# Allegro board RK3588S_Template_LP4XD556P164SD10H2_33X33_2133MHz_H1R6_V10_20220315YWQ.brd (continued)
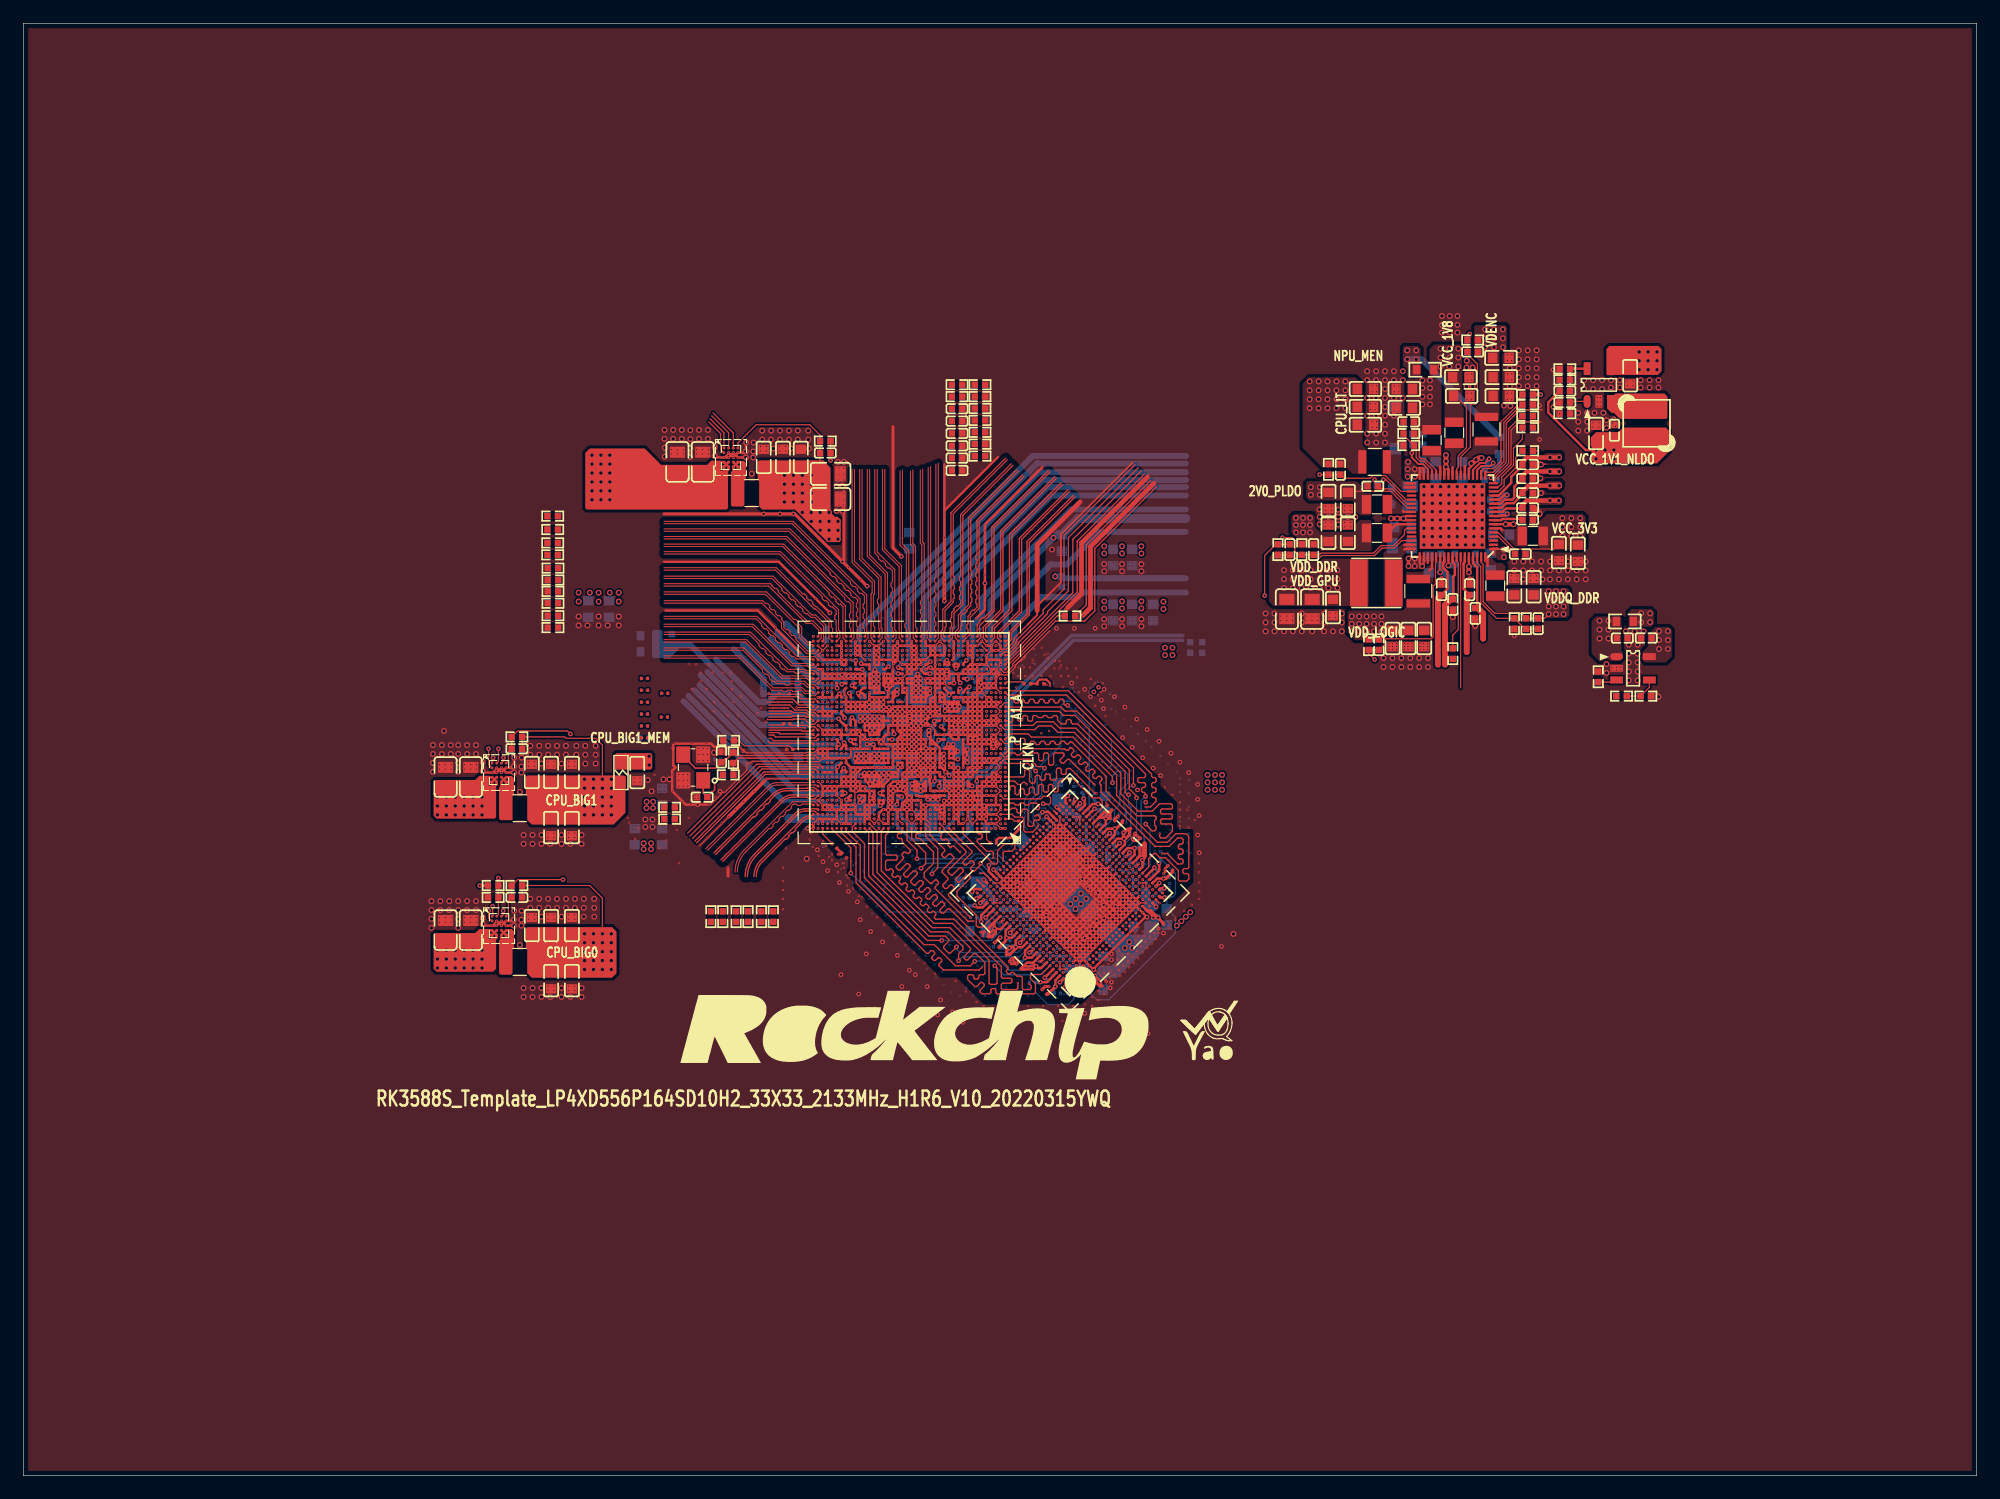
[diagram p0: board, top side]
## Footprints (pads in the part's own frame, mm; a bottom-side part is the same pattern mirrored in y, then rotated)
BGA1253_17R00X17R00X1R10
  round 0.25 smd: A1(-8.2,8.2) A2(-7.8,8.2) A3(-7.4,8.2) A4(-7,8.2) A5(-6.6,8.2) A6(-6.2,8.2) A7(-5.8,8.2) A9(-5,8.2) A10(-4.6,8.2) A12(-3.8,8.2) A13(-3.4,8.2) A15(-2.6,8.2) A16(-2.2,8.2) A18(-1.4,8.2) A19(-1,8.2) A20(-0.6,8.2) A21(-0.2,8.2) A23(0.6,8.2) A24(1,8.2) A26(1.8,8.2) A27(2.2,8.2) A28(2.6,8.2) A30(3.4,8.2) A31(3.8,8.2) A32(4.2,8.2) A33(4.6,8.2) A35(5.4,8.2) A36(5.8,8.2) A37(6.2,8.2) A38(6.6,8.2) A39(7,8.2) A40(7.4,8.2) A41(7.8,8.2) A42(8.2,8.2) AA1(-8.2,0.2) AA2(-7.8,0.2) AA3(-7.4,0.2) AA5(-6.6,0.2) AA6(-6.2,0.2) AA7(-5.8,0.2) AA8(-5.4,0.2) AA9(-5,0.2) AA10(-4.6,0.2) AA11(-4.2,0.2) AA12(-3.8,0.2) AA14(-3,0.2) AA19(-1,0.2) AA22(0.2,0.2) AA23(0.6,0.2) AA26(1.8,0.2) AA28(2.6,0.2) AA29(3,0.2) AA30(3.4,0.2) AA31(3.8,0.2) AA37(6.2,0.2) AA38(6.6,0.2) AA39(7,0.2) AA40(7.4,0.2) AA41(7.8,0.2) AA42(8.2,0.2) AB2(-7.8,-0.2) AB3(-7.4,-0.2) AB4(-7,-0.2) AB5(-6.6,-0.2) AB6(-6.2,-0.2) AB9(-5,-0.2) AB10(-4.6,-0.2) AB11(-4.2,-0.2) AB12(-3.8,-0.2) AB14(-3,-0.2) AB19(-1,-0.2) AB20(-0.6,-0.2) AB21(-0.2,-0.2) AB22(0.2,-0.2) AB23(0.6,-0.2) AB24(1,-0.2) AB25(1.4,-0.2) AB31(3.8,-0.2) AB32(4.2,-0.2) AB33(4.6,-0.2) AB34(5,-0.2) AB35(5.4,-0.2) AB36(5.8,-0.2) AB37(6.2,-0.2) AB38(6.6,-0.2) AB39(7,-0.2) AB40(7.4,-0.2) AB41(7.8,-0.2) AB42(8.2,-0.2) AC1(-8.2,-0.6) AC2(-7.8,-0.6) AC3(-7.4,-0.6) AC4(-7,-0.6) AC5(-6.6,-0.6) AC6(-6.2,-0.6) AC16(-2.2,-0.6) AC17(-1.8,-0.6) AC18(-1.4,-0.6) AC22(0.2,-0.6) AC23(0.6,-0.6) AC24(1,-0.6) AC25(1.4,-0.6) AC26(1.8,-0.6) AC27(2.2,-0.6) AC28(2.6,-0.6) AC29(3,-0.6) AC30(3.4,-0.6) AC31(3.8,-0.6) AC33(4.6,-0.6) AC34(5,-0.6) AC35(5.4,-0.6) AC37(6.2,-0.6) AC38(6.6,-0.6) AC39(7,-0.6) AC40(7.4,-0.6) AC41(7.8,-0.6) AD1(-8.2,-1) AD2(-7.8,-1) AD3(-7.4,-1) AD5(-6.6,-1) AD6(-6.2,-1) AD8(-5.4,-1) AD9(-5,-1) AD10(-4.6,-1) AD11(-4.2,-1) AD12(-3.8,-1) AD13(-3.4,-1) AD14(-3,-1) AD15(-2.6,-1) AD19(-1,-1) AD20(-0.6,-1) AD22(0.2,-1) AD23(0.6,-1) AD24(1,-1) AD25(1.4,-1) AD26(1.8,-1) AD27(2.2,-1) AD38(6.6,-1) AD39(7,-1) AD40(7.4,-1) AD41(7.8,-1) AD42(8.2,-1) AE1(-8.2,-1.4) AE2(-7.8,-1.4) AE5(-6.6,-1.4) AE6(-6.2,-1.4) AE7(-5.8,-1.4) AE8(-5.4,-1.4) AE9(-5,-1.4) AE10(-4.6,-1.4) AE11(-4.2,-1.4) AE12(-3.8,-1.4) AE13(-3.4,-1.4) AE14(-3,-1.4) AE15(-2.6,-1.4) AE16(-2.2,-1.4) AE19(-1,-1.4) AE20(-0.6,-1.4) AE22(0.2,-1.4) AE23(0.6,-1.4) AE24(1,-1.4) AE25(1.4,-1.4) AE26(1.8,-1.4) AE27(2.2,-1.4) AE38(6.6,-1.4) AE39(7,-1.4) AE40(7.4,-1.4) AE41(7.8,-1.4) AE42(8.2,-1.4) AF1(-8.2,-1.8) AF2(-7.8,-1.8) AF3(-7.4,-1.8) AF4(-7,-1.8) AF5(-6.6,-1.8) AF6(-6.2,-1.8) AF7(-5.8,-1.8) AF8(-5.4,-1.8) AF9(-5,-1.8) AF10(-4.6,-1.8) AF12(-3.8,-1.8) AF13(-3.4,-1.8) AF16(-2.2,-1.8) AF17(-1.8,-1.8) AF19(-1,-1.8) AF20(-0.6,-1.8) AF21(-0.2,-1.8) AF26(1.8,-1.8) AF27(2.2,-1.8) AF28(2.6,-1.8) AF29(3,-1.8) AF30(3.4,-1.8) AF31(3.8,-1.8) AF32(4.2,-1.8) AF33(4.6,-1.8) AF34(5,-1.8) AF35(5.4,-1.8) AF36(5.8,-1.8) AF37(6.2,-1.8) AF38(6.6,-1.8) AF39(7,-1.8) AF40(7.4,-1.8) AF41(7.8,-1.8) AG1(-8.2,-2.2) AG2(-7.8,-2.2) AG3(-7.4,-2.2) AG4(-7,-2.2) AG5(-6.6,-2.2) AG6(-6.2,-2.2) AG7(-5.8,-2.2) AG8(-5.4,-2.2) AG15(-2.6,-2.2) AG16(-2.2,-2.2) AG17(-1.8,-2.2) AG18(-1.4,-2.2) AG19(-1,-2.2) AG20(-0.6,-2.2) AG21(-0.2,-2.2) AG22(0.2,-2.2) AG23(0.6,-2.2) AG24(1,-2.2) AG25(1.4,-2.2) AG28(2.6,-2.2) AG29(3,-2.2) AG31(3.8,-2.2) AG32(4.2,-2.2) AG33(4.6,-2.2) AG34(5,-2.2) AG35(5.4,-2.2) AG36(5.8,-2.2) AG37(6.2,-2.2) AG38(6.6,-2.2) AG39(7,-2.2) AG40(7.4,-2.2) AG41(7.8,-2.2) AG42(8.2,-2.2) AH2(-7.8,-2.6) AH3(-7.4,-2.6) AH4(-7,-2.6) AH5(-6.6,-2.6) AH7(-5.8,-2.6) AH8(-5.4,-2.6) AH9(-5,-2.6) AH10(-4.6,-2.6) AH11(-4.2,-2.6) AH12(-3.8,-2.6) AH13(-3.4,-2.6) AH14(-3,-2.6) AH15(-2.6,-2.6) AH16(-2.2,-2.6) AH17(-1.8,-2.6) AH18(-1.4,-2.6) AH19(-1,-2.6) AH20(-0.6,-2.6) AH21(-0.2,-2.6) AH23(0.6,-2.6) AH24(1,-2.6) AH25(1.4,-2.6) AH26(1.8,-2.6) AH28(2.6,-2.6) AH29(3,-2.6) AH36(5.8,-2.6) AH37(6.2,-2.6) AH38(6.6,-2.6) AH39(7,-2.6) AH40(7.4,-2.6) AH41(7.8,-2.6) AH42(8.2,-2.6) AJ1(-8.2,-3) AJ2(-7.8,-3) AJ3(-7.4,-3) AJ5(-6.6,-3) AJ6(-6.2,-3) AJ7(-5.8,-3) AJ8(-5.4,-3) AJ9(-5,-3) AJ10(-4.6,-3) AJ11(-4.2,-3) AJ12(-3.8,-3) AJ15(-2.6,-3) AJ16(-2.2,-3) AJ18(-1.4,-3) AJ19(-1,-3) AJ20(-0.6,-3) AJ21(-0.2,-3) AJ25(1.4,-3) AJ26(1.8,-3) AJ27(2.2,-3) AJ28(2.6,-3) AJ29(3,-3) AJ30(3.4,-3) AJ31(3.8,-3) AJ32(4.2,-3) AJ34(5,-3) AJ35(5.4,-3) AJ36(5.8,-3) AJ37(6.2,-3) AJ38(6.6,-3) AJ39(7,-3) AJ40(7.4,-3) AJ41(7.8,-3) AK1(-8.2,-3.4) AK2(-7.8,-3.4) AK3(-7.4,-3.4) AK4(-7,-3.4) AK5(-6.6,-3.4) AK6(-6.2,-3.4) AK7(-5.8,-3.4) AK9(-5,-3.4) AK10(-4.6,-3.4) AK11(-4.2,-3.4) AK12(-3.8,-3.4) AK15(-2.6,-3.4) AK16(-2.2,-3.4) AK18(-1.4,-3.4) AK21(-0.2,-3.4) AK22(0.2,-3.4) AK25(1.4,-3.4) AK26(1.8,-3.4) AK27(2.2,-3.4) AK28(2.6,-3.4) AK29(3,-3.4) AK30(3.4,-3.4) AK39(7,-3.4) AK40(7.4,-3.4) AK41(7.8,-3.4) AK42(8.2,-3.4) AL2(-7.8,-3.8) AL3(-7.4,-3.8) AL4(-7,-3.8) AL5(-6.6,-3.8) AL14(-3,-3.8) AL15(-2.6,-3.8) AL16(-2.2,-3.8) AL18(-1.4,-3.8) AL21(-0.2,-3.8) AL22(0.2,-3.8) AL28(2.6,-3.8) AL29(3,-3.8) AL30(3.4,-3.8) AL31(3.8,-3.8) AL33(4.6,-3.8) AL35(5.4,-3.8) AL38(6.6,-3.8) AL39(7,-3.8) AL40(7.4,-3.8) AL41(7.8,-3.8) AL42(8.2,-3.8) AM1(-8.2,-4.2) AM2(-7.8,-4.2) AM4(-7,-4.2) AM5(-6.6,-4.2) AM13(-3.4,-4.2) AM14(-3,-4.2) AM15(-2.6,-4.2) AM16(-2.2,-4.2) AM17(-1.8,-4.2) AM21(-0.2,-4.2) AM22(0.2,-4.2) AM23(0.6,-4.2) AM25(1.4,-4.2) AM27(2.2,-4.2) AM30(3.4,-4.2) AM31(3.8,-4.2) AM32(4.2,-4.2) AM33(4.6,-4.2) AM35(5.4,-4.2) AM37(6.2,-4.2) AM38(6.6,-4.2) AM39(7,-4.2) AM40(7.4,-4.2) AM41(7.8,-4.2) AN1(-8.2,-4.6) AN2(-7.8,-4.6) AN3(-7.4,-4.6) AN4(-7,-4.6) AN5(-6.6,-4.6) AN6(-6.2,-4.6) AN7(-5.8,-4.6) AN8(-5.4,-4.6) AN10(-4.6,-4.6) AN11(-4.2,-4.6) AN12(-3.8,-4.6) AN13(-3.4,-4.6) AN14(-3,-4.6) AN15(-2.6,-4.6) AN17(-1.8,-4.6) AN18(-1.4,-4.6) AN21(-0.2,-4.6) AN22(0.2,-4.6) AN23(0.6,-4.6) AN25(1.4,-4.6) AN30(3.4,-4.6) AN31(3.8,-4.6) AN32(4.2,-4.6) AN33(4.6,-4.6) AN34(5,-4.6) AN35(5.4,-4.6) AN37(6.2,-4.6) AN38(6.6,-4.6) AN39(7,-4.6) AN40(7.4,-4.6) AN41(7.8,-4.6) AN42(8.2,-4.6) AP2(-7.8,-5) AP5(-6.6,-5) AP6(-6.2,-5) AP7(-5.8,-5) AP8(-5.4,-5) AP9(-5,-5) AP10(-4.6,-5) AP11(-4.2,-5) AP16(-2.2,-5) AP18(-1.4,-5) AP22(0.2,-5) AP23(0.6,-5) AP25(1.4,-5) AP27(2.2,-5) AP30(3.4,-5) AP31(3.8,-5) AP32(4.2,-5) AP33(4.6,-5) AP34(5,-5) AP35(5.4,-5) AP37(6.2,-5) AP38(6.6,-5) AP39(7,-5) AP40(7.4,-5) AP41(7.8,-5) AP42(8.2,-5) AR1(-8.2,-5.4) AR2(-7.8,-5.4) AR3(-7.4,-5.4) AR4(-7,-5.4) AR5(-6.6,-5.4) AR6(-6.2,-5.4) AR9(-5,-5.4) AR16(-2.2,-5.4) AR18(-1.4,-5.4) AR19(-1,-5.4) AR20(-0.6,-5.4) AR21(-0.2,-5.4) AR22(0.2,-5.4) AR23(0.6,-5.4) AR25(1.4,-5.4) AR27(2.2,-5.4) AR30(3.4,-5.4) AR33(4.6,-5.4) AR34(5,-5.4) AR35(5.4,-5.4) AR36(5.8,-5.4) AR37(6.2,-5.4) AR38(6.6,-5.4) AR39(7,-5.4) AR40(7.4,-5.4) AR41(7.8,-5.4) AT1(-8.2,-5.8) AT2(-7.8,-5.8) AT3(-7.4,-5.8) AT4(-7,-5.8) AT5(-6.6,-5.8) AT6(-6.2,-5.8) AT7(-5.8,-5.8) AT8(-5.4,-5.8) AT10(-4.6,-5.8) AT11(-4.2,-5.8) AT12(-3.8,-5.8) AT13(-3.4,-5.8) AT14(-3,-5.8) AT15(-2.6,-5.8) AT16(-2.2,-5.8) AT18(-1.4,-5.8) AT19(-1,-5.8) AT20(-0.6,-5.8) AT21(-0.2,-5.8) AT22(0.2,-5.8) AT23(0.6,-5.8) AT27(2.2,-5.8) AT29(3,-5.8) AT30(3.4,-5.8) AT33(4.6,-5.8) AT36(5.8,-5.8) AT37(6.2,-5.8) AT38(6.6,-5.8) AT39(7,-5.8) AT40(7.4,-5.8) AT41(7.8,-5.8) AT42(8.2,-5.8) AU1(-8.2,-6.2) AU2(-7.8,-6.2) AU3(-7.4,-6.2) AU4(-7,-6.2) AU6(-6.2,-6.2) AU7(-5.8,-6.2) AU8(-5.4,-6.2) AU15(-2.6,-6.2) AU16(-2.2,-6.2) AU18(-1.4,-6.2) AU19(-1,-6.2) AU21(-0.2,-6.2) AU22(0.2,-6.2) AU23(0.6,-6.2) AU24(1,-6.2) AU25(1.4,-6.2) AU27(2.2,-6.2) AU28(2.6,-6.2) AU29(3,-6.2) AU30(3.4,-6.2) AU31(3.8,-6.2) AU34(5,-6.2) AU35(5.4,-6.2) AU38(6.6,-6.2) AU39(7,-6.2) AU40(7.4,-6.2) AU41(7.8,-6.2) AU42(8.2,-6.2) AV1(-8.2,-6.6) AV2(-7.8,-6.6) AV3(-7.4,-6.6) AV4(-7,-6.6) AV5(-6.6,-6.6) AV6(-6.2,-6.6) AV7(-5.8,-6.6) AV8(-5.4,-6.6) AV9(-5,-6.6) AV10(-4.6,-6.6) AV11(-4.2,-6.6) AV12(-3.8,-6.6) AV13(-3.4,-6.6) AV14(-3,-6.6) AV15(-2.6,-6.6) AV16(-2.2,-6.6) AV18(-1.4,-6.6) AV19(-1,-6.6) AV21(-0.2,-6.6) AV22(0.2,-6.6) AV23(0.6,-6.6) AV25(1.4,-6.6) AV26(1.8,-6.6) AV27(2.2,-6.6) AV29(3,-6.6) AV30(3.4,-6.6) AV31(3.8,-6.6) AV32(4.2,-6.6) AV33(4.6,-6.6) AV34(5,-6.6) AV35(5.4,-6.6) AV36(5.8,-6.6) AV37(6.2,-6.6) AV38(6.6,-6.6) AV39(7,-6.6) AV40(7.4,-6.6) AV41(7.8,-6.6) AW3(-7.4,-7) AW4(-7,-7) AW5(-6.6,-7) AW6(-6.2,-7) AW7(-5.8,-7) AW8(-5.4,-7) AW9(-5,-7) AW10(-4.6,-7) AW11(-4.2,-7) AW12(-3.8,-7) AW13(-3.4,-7) AW14(-3,-7) AW15(-2.6,-7) AW16(-2.2,-7) AW17(-1.8,-7) AW18(-1.4,-7) AW19(-1,-7) AW21(-0.2,-7) AW22(0.2,-7) AW23(0.6,-7) AW25(1.4,-7) AW26(1.8,-7) AW27(2.2,-7) AW28(2.6,-7) AW29(3,-7) AW30(3.4,-7) AW31(3.8,-7) AW32(4.2,-7) AW33(4.6,-7) AW34(5,-7) AW35(5.4,-7) AW36(5.8,-7) AW37(6.2,-7) AW38(6.6,-7) AW39(7,-7) AW40(7.4,-7) AW41(7.8,-7) AW42(8.2,-7) AY1(-8.2,-7.4) AY2(-7.8,-7.4) AY3(-7.4,-7.4) AY4(-7,-7.4) AY5(-6.6,-7.4) AY7(-5.8,-7.4) AY8(-5.4,-7.4) AY9(-5,-7.4) AY10(-4.6,-7.4) AY11(-4.2,-7.4) AY12(-3.8,-7.4) AY13(-3.4,-7.4) AY14(-3,-7.4) AY15(-2.6,-7.4) AY16(-2.2,-7.4) AY17(-1.8,-7.4) AY18(-1.4,-7.4) AY19(-1,-7.4) AY21(-0.2,-7.4) AY22(0.2,-7.4) AY23(0.6,-7.4) AY25(1.4,-7.4) AY26(1.8,-7.4) AY27(2.2,-7.4) AY28(2.6,-7.4) AY29(3,-7.4) AY30(3.4,-7.4) AY31(3.8,-7.4) AY32(4.2,-7.4) AY33(4.6,-7.4) AY34(5,-7.4) AY35(5.4,-7.4) AY36(5.8,-7.4) AY37(6.2,-7.4) AY39(7,-7.4) AY40(7.4,-7.4) AY41(7.8,-7.4) AY42(8.2,-7.4) B1(-8.2,7.8) B2(-7.8,7.8) B3(-7.4,7.8) B5(-6.6,7.8) B6(-6.2,7.8) B7(-5.8,7.8) B8(-5.4,7.8) B9(-5,7.8) B10(-4.6,7.8) B11(-4.2,7.8) B12(-3.8,7.8) B13(-3.4,7.8) B14(-3,7.8) B15(-2.6,7.8) B16(-2.2,7.8) B17(-1.8,7.8) B18(-1.4,7.8) B19(-1,7.8) B20(-0.6,7.8) B21(-0.2,7.8) B22(0.2,7.8) B23(0.6,7.8) B24(1,7.8) B25(1.4,7.8) B26(1.8,7.8) B27(2.2,7.8) B28(2.6,7.8) B29(3,7.8) B30(3.4,7.8) B31(3.8,7.8) B32(4.2,7.8) B33(4.6,7.8) B34(5,7.8) B35(5.4,7.8) B36(5.8,7.8) B37(6.2,7.8) B38(6.6,7.8) B39(7,7.8) B40(7.4,7.8) B41(7.8,7.8) B42(8.2,7.8) BA1(-8.2,-7.8) BA2(-7.8,-7.8) BA3(-7.4,-7.8) BA4(-7,-7.8) BA5(-6.6,-7.8) BA6(-6.2,-7.8) BA7(-5.8,-7.8) BA8(-5.4,-7.8) BA9(-5,-7.8) BA10(-4.6,-7.8) BA11(-4.2,-7.8) BA12(-3.8,-7.8) BA13(-3.4,-7.8) BA14(-3,-7.8) BA15(-2.6,-7.8) BA16(-2.2,-7.8) BA17(-1.8,-7.8) BA18(-1.4,-7.8) BA19(-1,-7.8) BA20(-0.6,-7.8) BA21(-0.2,-7.8) BA22(0.2,-7.8) BA23(0.6,-7.8) BA24(1,-7.8) BA25(1.4,-7.8) BA26(1.8,-7.8) BA27(2.2,-7.8) BA28(2.6,-7.8) BA29(3,-7.8) BA30(3.4,-7.8) BA31(3.8,-7.8) BA32(4.2,-7.8) BA33(4.6,-7.8) BA34(5,-7.8) BA35(5.4,-7.8) BA36(5.8,-7.8) BA37(6.2,-7.8) BA38(6.6,-7.8) BA40(7.4,-7.8) BA41(7.8,-7.8) BA42(8.2,-7.8) BB1(-8.2,-8.2) BB2(-7.8,-8.2) BB4(-7,-8.2) BB5(-6.6,-8.2) BB7(-5.8,-8.2) BB8(-5.4,-8.2) BB10(-4.6,-8.2) BB11(-4.2,-8.2) BB13(-3.4,-8.2) BB14(-3,-8.2) BB16(-2.2,-8.2) BB17(-1.8,-8.2) BB19(-1,-8.2) BB20(-0.6,-8.2) BB22(0.2,-8.2) BB23(0.6,-8.2) BB25(1.4,-8.2) BB26(1.8,-8.2) BB28(2.6,-8.2) BB29(3,-8.2) BB31(3.8,-8.2) BB32(4.2,-8.2) BB34(5,-8.2) BB35(5.4,-8.2) BB37(6.2,-8.2) BB38(6.6,-8.2) BB41(7.8,-8.2) BB42(8.2,-8.2) C1(-8.2,7.4) C2(-7.8,7.4) C3(-7.4,7.4) C4(-7,7.4) C6(-6.2,7.4) C7(-5.8,7.4) C8(-5.4,7.4) C9(-5,7.4) C10(-4.6,7.4) C11(-4.2,7.4) C12(-3.8,7.4) C13(-3.4,7.4) C14(-3,7.4) C15(-2.6,7.4) C16(-2.2,7.4) C17(-1.8,7.4) C18(-1.4,7.4) C19(-1,7.4) C20(-0.6,7.4) C21(-0.2,7.4) C22(0.2,7.4) C23(0.6,7.4) C24(1,7.4) C25(1.4,7.4) C26(1.8,7.4) C27(2.2,7.4) C28(2.6,7.4) C29(3,7.4) C30(3.4,7.4) C32(4.2,7.4) C33(4.6,7.4) C34(5,7.4) C35(5.4,7.4) C36(5.8,7.4) C37(6.2,7.4) C39(7,7.4) C41(7.8,7.4) C42(8.2,7.4) D2(-7.8,7) D3(-7.4,7) D4(-7,7) D7(-5.8,7) D8(-5.4,7) D10(-4.6,7) D11(-4.2,7) D13(-3.4,7) D14(-3,7) D15(-2.6,7) D16(-2.2,7) D17(-1.8,7) D18(-1.4,7) D19(-1,7) D21(-0.2,7) D22(0.2,7) D23(0.6,7) D25(1.4,7) D26(1.8,7) D27(2.2,7) D29(3,7) D30(3.4,7) D31(3.8,7) D32(4.2,7) D34(5,7) D36(5.8,7) D38(6.6,7) D39(7,7) D40(7.4,7) D41(7.8,7) D42(8.2,7) E1(-8.2,6.6) E2(-7.8,6.6) E3(-7.4,6.6) E4(-7,6.6) E5(-6.6,6.6) E6(-6.2,6.6) E8(-5.4,6.6) E9(-5,6.6) E10(-4.6,6.6) E12(-3.8,6.6) E13(-3.4,6.6) E16(-2.2,6.6) E17(-1.8,6.6) E18(-1.4,6.6) E19(-1,6.6) E20(-0.6,6.6) E21(-0.2,6.6) E23(0.6,6.6) E25(1.4,6.6) E27(2.2,6.6) E29(3,6.6) E30(3.4,6.6) E31(3.8,6.6) E32(4.2,6.6) E33(4.6,6.6) E34(5,6.6) E37(6.2,6.6) E38(6.6,6.6) E39(7,6.6) E40(7.4,6.6) E41(7.8,6.6) F1(-8.2,6.2) F2(-7.8,6.2) F3(-7.4,6.2) F4(-7,6.2) F8(-5.4,6.2) F9(-5,6.2) F10(-4.6,6.2) F13(-3.4,6.2) F14(-3,6.2) F15(-2.6,6.2) F16(-2.2,6.2) F19(-1,6.2) F20(-0.6,6.2) F21(-0.2,6.2) F23(0.6,6.2) F29(3,6.2) F31(3.8,6.2) F33(4.6,6.2) F34(5,6.2) F35(5.4,6.2) F36(5.8,6.2) F37(6.2,6.2) F38(6.6,6.2) F39(7,6.2) F40(7.4,6.2) F41(7.8,6.2) F42(8.2,6.2) G2(-7.8,5.8) G3(-7.4,5.8) G4(-7,5.8) G5(-6.6,5.8) G6(-6.2,5.8) G8(-5.4,5.8) G9(-5,5.8) G10(-4.6,5.8) G12(-3.8,5.8) G20(-0.6,5.8) G21(-0.2,5.8) G22(0.2,5.8) G24(1,5.8) G25(1.4,5.8) G26(1.8,5.8) G27(2.2,5.8) G28(2.6,5.8) G29(3,5.8) G31(3.8,5.8) G34(5,5.8) G36(5.8,5.8) G37(6.2,5.8) G38(6.6,5.8) G39(7,5.8) G40(7.4,5.8) G41(7.8,5.8) H1(-8.2,5.4) H2(-7.8,5.4) H3(-7.4,5.4) H4(-7,5.4) H5(-6.6,5.4) H6(-6.2,5.4) H11(-4.2,5.4) H12(-3.8,5.4) H14(-3,5.4) H15(-2.6,5.4) H16(-2.2,5.4) H18(-1.4,5.4) H20(-0.6,5.4) H22(0.2,5.4) H24(1,5.4) H25(1.4,5.4) H27(2.2,5.4) H29(3,5.4) H31(3.8,5.4) H34(5,5.4) H36(5.8,5.4) H37(6.2,5.4) H38(6.6,5.4) H39(7,5.4) H40(7.4,5.4) H41(7.8,5.4) H42(8.2,5.4) J1(-8.2,5) J2(-7.8,5) J3(-7.4,5) J4(-7,5) J5(-6.6,5) J6(-6.2,5) J7(-5.8,5) J8(-5.4,5) J9(-5,5) J10(-4.6,5) J12(-3.8,5) J14(-3,5) J15(-2.6,5) J16(-2.2,5) J18(-1.4,5) J20(-0.6,5) J22(0.2,5) J24(1,5) J26(1.8,5) J27(2.2,5) J29(3,5) J30(3.4,5) J31(3.8,5) J36(5.8,5) J38(6.6,5) J39(7,5) J40(7.4,5) J41(7.8,5) J42(8.2,5) K1(-8.2,4.6) K2(-7.8,4.6) K3(-7.4,4.6) K6(-6.2,4.6) K7(-5.8,4.6) K9(-5,4.6) K10(-4.6,4.6) K11(-4.2,4.6) K12(-3.8,4.6) K14(-3,4.6) K17(-1.8,4.6) K18(-1.4,4.6) K20(-0.6,4.6) K22(0.2,4.6) K23(0.6,4.6) K25(1.4,4.6) K26(1.8,4.6) K27(2.2,4.6) K28(2.6,4.6) K29(3,4.6) K30(3.4,4.6) K31(3.8,4.6) K32(4.2,4.6) K33(4.6,4.6) K34(5,4.6) K35(5.4,4.6) K36(5.8,4.6) K37(6.2,4.6) K38(6.6,4.6) K39(7,4.6) K40(7.4,4.6) K41(7.8,4.6) L1(-8.2,4.2) L2(-7.8,4.2) L3(-7.4,4.2) L5(-6.6,4.2) L6(-6.2,4.2) L9(-5,4.2) L10(-4.6,4.2) L11(-4.2,4.2) L12(-3.8,4.2) L14(-3,4.2) L15(-2.6,4.2) L18(-1.4,4.2) L20(-0.6,4.2) L22(0.2,4.2) L23(0.6,4.2) L24(1,4.2) L32(4.2,4.2) L33(4.6,4.2) L34(5,4.2) L35(5.4,4.2) L36(5.8,4.2) L37(6.2,4.2) L38(6.6,4.2) L39(7,4.2) L40(7.4,4.2) L41(7.8,4.2) L42(8.2,4.2) M1(-8.2,3.8) M2(-7.8,3.8) M5(-6.6,3.8) M6(-6.2,3.8) M7(-5.8,3.8) M8(-5.4,3.8) M9(-5,3.8) M10(-4.6,3.8) M12(-3.8,3.8) M14(-3,3.8) M16(-2.2,3.8) M17(-1.8,3.8) M19(-1,3.8) M21(-0.2,3.8) M22(0.2,3.8) M23(0.6,3.8) M24(1,3.8) M25(1.4,3.8) M28(2.6,3.8) M29(3,3.8) M30(3.4,3.8) M33(4.6,3.8) M34(5,3.8) M35(5.4,3.8) M36(5.8,3.8) M37(6.2,3.8) M38(6.6,3.8) M39(7,3.8) M40(7.4,3.8) M41(7.8,3.8) M42(8.2,3.8) N1(-8.2,3.4) N2(-7.8,3.4) N3(-7.4,3.4) N5(-6.6,3.4) N6(-6.2,3.4) N7(-5.8,3.4) N9(-5,3.4) N11(-4.2,3.4) N12(-3.8,3.4) N15(-2.6,3.4) N16(-2.2,3.4) N17(-1.8,3.4) N18(-1.4,3.4) N21(-0.2,3.4) N22(0.2,3.4) N24(1,3.4) N25(1.4,3.4) N33(4.6,3.4) N34(5,3.4) N35(5.4,3.4) N36(5.8,3.4) N37(6.2,3.4) N38(6.6,3.4) N39(7,3.4) N40(7.4,3.4) N41(7.8,3.4) N42(8.2,3.4) P1(-8.2,3) P2(-7.8,3) P3(-7.4,3) P4(-7,3) P5(-6.6,3) P6(-6.2,3) P7(-5.8,3) P8(-5.4,3) P9(-5,3) P10(-4.6,3) P12(-3.8,3) P15(-2.6,3) P16(-2.2,3) P17(-1.8,3) P18(-1.4,3) P19(-1,3) P23(0.6,3) P25(1.4,3) P26(1.8,3) P27(2.2,3) P28(2.6,3) P29(3,3) P30(3.4,3) P31(3.8,3) P32(4.2,3) P33(4.6,3) P34(5,3) P38(6.6,3) P39(7,3) P40(7.4,3) P41(7.8,3) R1(-8.2,2.6) R2(-7.8,2.6) R3(-7.4,2.6) R4(-7,2.6) R8(-5.4,2.6) R10(-4.6,2.6) R15(-2.6,2.6) R16(-2.2,2.6) R20(-0.6,2.6) R21(-0.2,2.6) R23(0.6,2.6) R24(1,2.6) R25(1.4,2.6) R26(1.8,2.6) R27(2.2,2.6) R28(2.6,2.6) R29(3,2.6) R30(3.4,2.6) R31(3.8,2.6) R32(4.2,2.6) R33(4.6,2.6) R35(5.4,2.6) R36(5.8,2.6) R38(6.6,2.6) R39(7,2.6) T2(-7.8,2.2) T3(-7.4,2.2) T4(-7,2.2) T7(-5.8,2.2) T10(-4.6,2.2) T12(-3.8,2.2) T13(-3.4,2.2) T15(-2.6,2.2) T16(-2.2,2.2) T17(-1.8,2.2) T18(-1.4,2.2) T20(-0.6,2.2) T21(-0.2,2.2) T24(1,2.2) T25(1.4,2.2) T26(1.8,2.2) T35(5.4,2.2) T36(5.8,2.2) T37(6.2,2.2) T38(6.6,2.2) T39(7,2.2) T40(7.4,2.2) T41(7.8,2.2) T42(8.2,2.2) U1(-8.2,1.8) U2(-7.8,1.8) U3(-7.4,1.8) U4(-7,1.8) U5(-6.6,1.8) U6(-6.2,1.8) U7(-5.8,1.8) U8(-5.4,1.8) U12(-3.8,1.8) U13(-3.4,1.8) U15(-2.6,1.8) U16(-2.2,1.8) U17(-1.8,1.8) U18(-1.4,1.8) U20(-0.6,1.8) U21(-0.2,1.8) U22(0.2,1.8) U23(0.6,1.8) U24(1,1.8) U25(1.4,1.8) U26(1.8,1.8) U35(5.4,1.8) U36(5.8,1.8) U37(6.2,1.8) U38(6.6,1.8) U39(7,1.8) U40(7.4,1.8) U41(7.8,1.8) V1(-8.2,1.4) V2(-7.8,1.4) V3(-7.4,1.4) V5(-6.6,1.4) V6(-6.2,1.4) V7(-5.8,1.4) V8(-5.4,1.4) V10(-4.6,1.4) V12(-3.8,1.4) V13(-3.4,1.4) V14(-3,1.4) V16(-2.2,1.4) V17(-1.8,1.4) V19(-1,1.4) V23(0.6,1.4) V24(1,1.4) V25(1.4,1.4) V26(1.8,1.4) V27(2.2,1.4) V28(2.6,1.4) V29(3,1.4) V30(3.4,1.4) V31(3.8,1.4) V32(4.2,1.4) V33(4.6,1.4) V34(5,1.4) V35(5.4,1.4) V36(5.8,1.4) V37(6.2,1.4) V38(6.6,1.4) V39(7,1.4) V40(7.4,1.4) V41(7.8,1.4) V42(8.2,1.4) W2(-7.8,1) W5(-6.6,1) W7(-5.8,1) W8(-5.4,1) W9(-5,1) W10(-4.6,1) W16(-2.2,1) W17(-1.8,1) W18(-1.4,1) W19(-1,1) W22(0.2,1) W23(0.6,1) W24(1,1) W26(1.8,1) W33(4.6,1) W38(6.6,1) W39(7,1) W40(7.4,1) W41(7.8,1) W42(8.2,1) Y1(-8.2,0.6) Y2(-7.8,0.6) Y3(-7.4,0.6) Y4(-7,0.6) Y5(-6.6,0.6) Y6(-6.2,0.6) Y10(-4.6,0.6) Y11(-4.2,0.6) Y14(-3,0.6) Y17(-1.8,0.6) Y18(-1.4,0.6) Y19(-1,0.6) Y22(0.2,0.6) Y23(0.6,0.6) Y24(1,0.6) Y26(1.8,0.6) Y28(2.6,0.6) Y29(3,0.6) Y30(3.4,0.6) Y31(3.8,0.6) Y32(4.2,0.6) Y33(4.6,0.6) Y37(6.2,0.6) Y38(6.6,0.6) Y39(7,0.6) Y40(7.4,0.6) Y41(7.8,0.6)
C0201
  rect 0.25x0.3 smd: 1(-0.275,0) 2(0.275,0)
C0201#2
  custom 0.294x0.3 smd: 1(-0.25,0) 2(0.25,0)
C0402
  rect 0.55x0.55 smd: 1(-0.45,0) 2(0.45,0)
C0603
  rect 0.8x0.9 smd: 1(-0.7,0) 2(0.7,0)
C0805
  rect 0.95x1.3 smd: 1(-0.825,0) 2(0.825,0)
CRY4_3R20X2R50X0R80
  rect 1.4x1.2 smd: 1(-1.1,-0.85) 2(1.1,-0.85) 3(1.1,0.85) 4(-1.1,0.85)
ESD0402
  custom 0.868x0.636 smd: 1(-0.635,-0.02)
  custom 0.86x0.636 smd: 2(0.622,0)
FBGA556_12R40X12R40X0R78
  round 0.26 smd: A1(-5.6,5.6) A2(-5.2,5.6) A3(-4.8,5.6) A4(-4.4,5.6) A5(-4,5.6) A6(-3.6,5.6) A7(-3.2,5.6) A8(-2.8,5.6) A9(-2.4,5.6) A10(-2,5.6) A11(-1.6,5.6) A12(-1.2,5.6) A13(-0.8,5.6) A14(-0.4,5.6) A15(0,5.6) A16(0.4,5.6) A17(0.8,5.6) A18(1.2,5.6) A19(1.6,5.6) A20(2,5.6) A21(2.4,5.6) A22(2.8,5.6) A23(3.2,5.6) A24(3.6,5.6) A25(4,5.6) A26(4.4,5.6) A27(4.8,5.6) A28(5.2,5.6) A29(5.6,5.6) AA1(-5.6,-2.4) AA2(-5.2,-2.4) AA3(-4.8,-2.4) AA4(-4.4,-2.4) AA5(-4,-2.4) AA25(4,-2.4) AA26(4.4,-2.4) AA27(4.8,-2.4) AA28(5.2,-2.4) AA29(5.6,-2.4) AB1(-5.6,-2.8) AB2(-5.2,-2.8) AB3(-4.8,-2.8) AB4(-4.4,-2.8) AB5(-4,-2.8) AB25(4,-2.8) AB26(4.4,-2.8) AB27(4.8,-2.8) AB28(5.2,-2.8) AB29(5.6,-2.8) AC1(-5.6,-3.2) AC2(-5.2,-3.2) AC3(-4.8,-3.2) AC4(-4.4,-3.2) AC5(-4,-3.2) AC6(-3.6,-3.2) AC7(-3.2,-3.2) AC8(-2.8,-3.2) AC9(-2.4,-3.2) AC10(-2,-3.2) AC11(-1.6,-3.2) AC12(-1.2,-3.2) AC13(-0.8,-3.2) AC14(-0.4,-3.2) AC15(0,-3.2) AC16(0.4,-3.2) AC17(0.8,-3.2) AC18(1.2,-3.2) AC19(1.6,-3.2) AC20(2,-3.2) AC21(2.4,-3.2) AC22(2.8,-3.2) AC23(3.2,-3.2) AC24(3.6,-3.2) AC25(4,-3.2) AC26(4.4,-3.2) AC27(4.8,-3.2) AC28(5.2,-3.2) AC29(5.6,-3.2) AD1(-5.6,-3.6) AD2(-5.2,-3.6) AD3(-4.8,-3.6) AD4(-4.4,-3.6) AD5(-4,-3.6) AD6(-3.6,-3.6) AD7(-3.2,-3.6) AD8(-2.8,-3.6) AD9(-2.4,-3.6) AD10(-2,-3.6) AD11(-1.6,-3.6) AD12(-1.2,-3.6) AD13(-0.8,-3.6) AD14(-0.4,-3.6) AD15(0,-3.6) AD16(0.4,-3.6) AD17(0.8,-3.6) AD18(1.2,-3.6) AD19(1.6,-3.6) AD20(2,-3.6) AD21(2.4,-3.6) AD22(2.8,-3.6) AD23(3.2,-3.6) AD24(3.6,-3.6) AD25(4,-3.6) AD26(4.4,-3.6) AD27(4.8,-3.6) AD28(5.2,-3.6) AD29(5.6,-3.6) AE1(-5.6,-4) AE2(-5.2,-4) AE3(-4.8,-4) AE4(-4.4,-4) AE5(-4,-4) AE6(-3.6,-4) AE7(-3.2,-4) AE8(-2.8,-4) AE9(-2.4,-4) AE10(-2,-4) AE11(-1.6,-4) AE12(-1.2,-4) AE13(-0.8,-4) AE14(-0.4,-4) AE15(0,-4) AE16(0.4,-4) AE17(0.8,-4) AE18(1.2,-4) AE19(1.6,-4) AE20(2,-4) AE21(2.4,-4) AE22(2.8,-4) AE23(3.2,-4) AE24(3.6,-4) AE25(4,-4) AE26(4.4,-4) AE27(4.8,-4) AE28(5.2,-4) AE29(5.6,-4) AF1(-5.6,-4.4) AF2(-5.2,-4.4) AF3(-4.8,-4.4) AF4(-4.4,-4.4) AF5(-4,-4.4) AF6(-3.6,-4.4) AF7(-3.2,-4.4) AF8(-2.8,-4.4) AF9(-2.4,-4.4) AF10(-2,-4.4) AF11(-1.6,-4.4) AF12(-1.2,-4.4) AF13(-0.8,-4.4) AF14(-0.4,-4.4) AF15(0,-4.4) AF16(0.4,-4.4) AF17(0.8,-4.4) AF18(1.2,-4.4) AF19(1.6,-4.4) AF20(2,-4.4) AF21(2.4,-4.4) AF22(2.8,-4.4) AF23(3.2,-4.4) AF24(3.6,-4.4) AF25(4,-4.4) AF26(4.4,-4.4) AF27(4.8,-4.4) AF28(5.2,-4.4) AF29(5.6,-4.4) AG1(-5.6,-4.8) AG2(-5.2,-4.8) AG3(-4.8,-4.8) AG4(-4.4,-4.8) AG5(-4,-4.8) AG6(-3.6,-4.8) AG7(-3.2,-4.8) AG8(-2.8,-4.8) AG9(-2.4,-4.8) AG10(-2,-4.8) AG11(-1.6,-4.8) AG12(-1.2,-4.8) AG13(-0.8,-4.8) AG14(-0.4,-4.8) AG15(0,-4.8) AG16(0.4,-4.8) AG17(0.8,-4.8) AG18(1.2,-4.8) AG19(1.6,-4.8) AG20(2,-4.8) AG21(2.4,-4.8) AG22(2.8,-4.8) AG23(3.2,-4.8) AG24(3.6,-4.8) AG25(4,-4.8) AG26(4.4,-4.8) AG27(4.8,-4.8) AG28(5.2,-4.8) AG29(5.6,-4.8) AH1(-5.6,-5.2) AH2(-5.2,-5.2) AH3(-4.8,-5.2) AH4(-4.4,-5.2) AH5(-4,-5.2) AH6(-3.6,-5.2) AH7(-3.2,-5.2) AH8(-2.8,-5.2) AH9(-2.4,-5.2) AH10(-2,-5.2) AH11(-1.6,-5.2) AH12(-1.2,-5.2) AH13(-0.8,-5.2) AH14(-0.4,-5.2) AH15(0,-5.2) AH16(0.4,-5.2) AH17(0.8,-5.2) AH18(1.2,-5.2) AH19(1.6,-5.2) AH20(2,-5.2) AH21(2.4,-5.2) AH22(2.8,-5.2) AH23(3.2,-5.2) AH24(3.6,-5.2) AH25(4,-5.2) AH26(4.4,-5.2) AH27(4.8,-5.2) AH28(5.2,-5.2) AH29(5.6,-5.2) AJ1(-5.6,-5.6) AJ2(-5.2,-5.6) AJ3(-4.8,-5.6) AJ4(-4.4,-5.6) AJ5(-4,-5.6) AJ6(-3.6,-5.6) AJ7(-3.2,-5.6) AJ8(-2.8,-5.6) AJ9(-2.4,-5.6) AJ10(-2,-5.6) AJ11(-1.6,-5.6) AJ12(-1.2,-5.6) AJ13(-0.8,-5.6) AJ14(-0.4,-5.6) AJ15(0,-5.6) AJ16(0.4,-5.6) AJ17(0.8,-5.6) AJ18(1.2,-5.6) AJ19(1.6,-5.6) AJ20(2,-5.6) AJ21(2.4,-5.6) AJ22(2.8,-5.6) AJ23(3.2,-5.6) AJ24(3.6,-5.6) AJ25(4,-5.6) AJ26(4.4,-5.6) AJ27(4.8,-5.6) AJ28(5.2,-5.6) AJ29(5.6,-5.6) B1(-5.6,5.2) B2(-5.2,5.2) B3(-4.8,5.2) B4(-4.4,5.2) B5(-4,5.2) B6(-3.6,5.2) B7(-3.2,5.2) B8(-2.8,5.2) B9(-2.4,5.2) B10(-2,5.2) B11(-1.6,5.2) B12(-1.2,5.2) B13(-0.8,5.2) B14(-0.4,5.2) B15(0,5.2) B16(0.4,5.2) B17(0.8,5.2) B18(1.2,5.2) B19(1.6,5.2) B20(2,5.2) B21(2.4,5.2) B22(2.8,5.2) B23(3.2,5.2) B24(3.6,5.2) B25(4,5.2) B26(4.4,5.2) B27(4.8,5.2) B28(5.2,5.2) B29(5.6,5.2) C1(-5.6,4.8) C2(-5.2,4.8) C3(-4.8,4.8) C4(-4.4,4.8) C5(-4,4.8) C6(-3.6,4.8) C7(-3.2,4.8) C8(-2.8,4.8) C9(-2.4,4.8) C10(-2,4.8) C11(-1.6,4.8) C12(-1.2,4.8) C13(-0.8,4.8) C14(-0.4,4.8) C15(0,4.8) C16(0.4,4.8) C17(0.8,4.8) C18(1.2,4.8) C19(1.6,4.8) C20(2,4.8) C21(2.4,4.8) C22(2.8,4.8) C23(3.2,4.8) C24(3.6,4.8) C25(4,4.8) C26(4.4,4.8) C27(4.8,4.8) C28(5.2,4.8) C29(5.6,4.8) D1(-5.6,4.4) D2(-5.2,4.4) D3(-4.8,4.4) D4(-4.4,4.4) D5(-4,4.4) D6(-3.6,4.4) D7(-3.2,4.4) D8(-2.8,4.4) D9(-2.4,4.4) D10(-2,4.4) D11(-1.6,4.4) D12(-1.2,4.4) D13(-0.8,4.4) D14(-0.4,4.4) D15(0,4.4) D16(0.4,4.4) D17(0.8,4.4) D18(1.2,4.4) D19(1.6,4.4) D20(2,4.4) D21(2.4,4.4) D22(2.8,4.4) D23(3.2,4.4) D24(3.6,4.4) D25(4,4.4) D26(4.4,4.4) D27(4.8,4.4) D28(5.2,4.4) D29(5.6,4.4) E1(-5.6,4) E2(-5.2,4) E3(-4.8,4) E4(-4.4,4) E5(-4,4) E6(-3.6,4) E7(-3.2,4) E8(-2.8,4) E9(-2.4,4) E10(-2,4) E11(-1.6,4) E12(-1.2,4) E13(-0.8,4) E14(-0.4,4) E15(0,4) E16(0.4,4) E17(0.8,4) E18(1.2,4) E19(1.6,4) E20(2,4) E21(2.4,4) E22(2.8,4) E23(3.2,4) E24(3.6,4) E25(4,4) E26(4.4,4) E27(4.8,4) E28(5.2,4) E29(5.6,4) F1(-5.6,3.6) F2(-5.2,3.6) F3(-4.8,3.6) F4(-4.4,3.6) F5(-4,3.6) F6(-3.6,3.6) F7(-3.2,3.6) F8(-2.8,3.6) F9(-2.4,3.6) F10(-2,3.6) F11(-1.6,3.6) F12(-1.2,3.6) F13(-0.8,3.6) F14(-0.4,3.6) F15(0,3.6) F16(0.4,3.6) F17(0.8,3.6) F18(1.2,3.6) F19(1.6,3.6) F20(2,3.6) F21(2.4,3.6) F22(2.8,3.6) F23(3.2,3.6) F24(3.6,3.6) F25(4,3.6) F26(4.4,3.6) F27(4.8,3.6) F28(5.2,3.6) F29(5.6,3.6) G1(-5.6,3.2) G2(-5.2,3.2) G3(-4.8,3.2) G4(-4.4,3.2) G5(-4,3.2) G6(-3.6,3.2) G7(-3.2,3.2) G8(-2.8,3.2) G9(-2.4,3.2) G10(-2,3.2) G11(-1.6,3.2) G12(-1.2,3.2) G13(-0.8,3.2) G14(-0.4,3.2) G15(0,3.2) G16(0.4,3.2) G17(0.8,3.2) G18(1.2,3.2) G19(1.6,3.2) G20(2,3.2) G21(2.4,3.2) G22(2.8,3.2) G23(3.2,3.2) G24(3.6,3.2) G25(4,3.2) G26(4.4,3.2) G27(4.8,3.2) G28(5.2,3.2) G29(5.6,3.2) H1(-5.6,2.8) H2(-5.2,2.8) H3(-4.8,2.8) H4(-4.4,2.8) H5(-4,2.8) H25(4,2.8) H26(4.4,2.8) H27(4.8,2.8) H28(5.2,2.8) H29(5.6,2.8) J1(-5.6,2.4) J2(-5.2,2.4) J3(-4.8,2.4) J4(-4.4,2.4) J5(-4,2.4) J25(4,2.4) J26(4.4,2.4) J27(4.8,2.4) J28(5.2,2.4) J29(5.6,2.4) K1(-5.6,2) K2(-5.2,2) K3(-4.8,2) K4(-4.4,2) K5(-4,2) K25(4,2) K26(4.4,2) K27(4.8,2) K28(5.2,2) K29(5.6,2) L1(-5.6,1.6) L2(-5.2,1.6) L3(-4.8,1.6) L4(-4.4,1.6) L5(-4,1.6) L25(4,1.6) L26(4.4,1.6) L27(4.8,1.6) L28(5.2,1.6) L29(5.6,1.6) M1(-5.6,1.2) M2(-5.2,1.2) M3(-4.8,1.2) M4(-4.4,1.2) M5(-4,1.2) M25(4,1.2) M26(4.4,1.2) M27(4.8,1.2) M28(5.2,1.2) M29(5.6,1.2) N1(-5.6,0.8) N2(-5.2,0.8) N3(-4.8,0.8) N4(-4.4,0.8) N5(-4,0.8) N25(4,0.8) N26(4.4,0.8) N27(4.8,0.8) N28(5.2,0.8) N29(5.6,0.8) P1(-5.6,0.4) P2(-5.2,0.4) P3(-4.8,0.4) P4(-4.4,0.4) P5(-4,0.4) P25(4,0.4) P26(4.4,0.4) P27(4.8,0.4) P28(5.2,0.4) P29(5.6,0.4) R1(-5.6,0) R2(-5.2,0) R3(-4.8,0) R4(-4.4,0) R5(-4,0) R25(4,0) R26(4.4,0) R27(4.8,0) R28(5.2,0) R29(5.6,0) T1(-5.6,-0.4) T2(-5.2,-0.4) T3(-4.8,-0.4) T4(-4.4,-0.4) T5(-4,-0.4) T25(4,-0.4) T26(4.4,-0.4) T27(4.8,-0.4) T28(5.2,-0.4) T29(5.6,-0.4) U1(-5.6,-0.8) U2(-5.2,-0.8) U3(-4.8,-0.8) U4(-4.4,-0.8) U5(-4,-0.8) U25(4,-0.8) U26(4.4,-0.8) U27(4.8,-0.8) U28(5.2,-0.8) U29(5.6,-0.8) V1(-5.6,-1.2) V2(-5.2,-1.2) V3(-4.8,-1.2) V4(-4.4,-1.2) V5(-4,-1.2) V25(4,-1.2) V26(4.4,-1.2) V27(4.8,-1.2) V28(5.2,-1.2) V29(5.6,-1.2) W1(-5.6,-1.6) W2(-5.2,-1.6) W3(-4.8,-1.6) W4(-4.4,-1.6) W5(-4,-1.6) W25(4,-1.6) W26(4.4,-1.6) W27(4.8,-1.6) W28(5.2,-1.6) W29(5.6,-1.6) Y1(-5.6,-2) Y2(-5.2,-2) Y3(-4.8,-2) Y4(-4.4,-2) Y5(-4,-2) Y25(4,-2) Y26(4.4,-2) Y27(4.8,-2) Y28(5.2,-2) Y29(5.6,-2)
